# KiCad board 10087.kicad_pcb (continued)
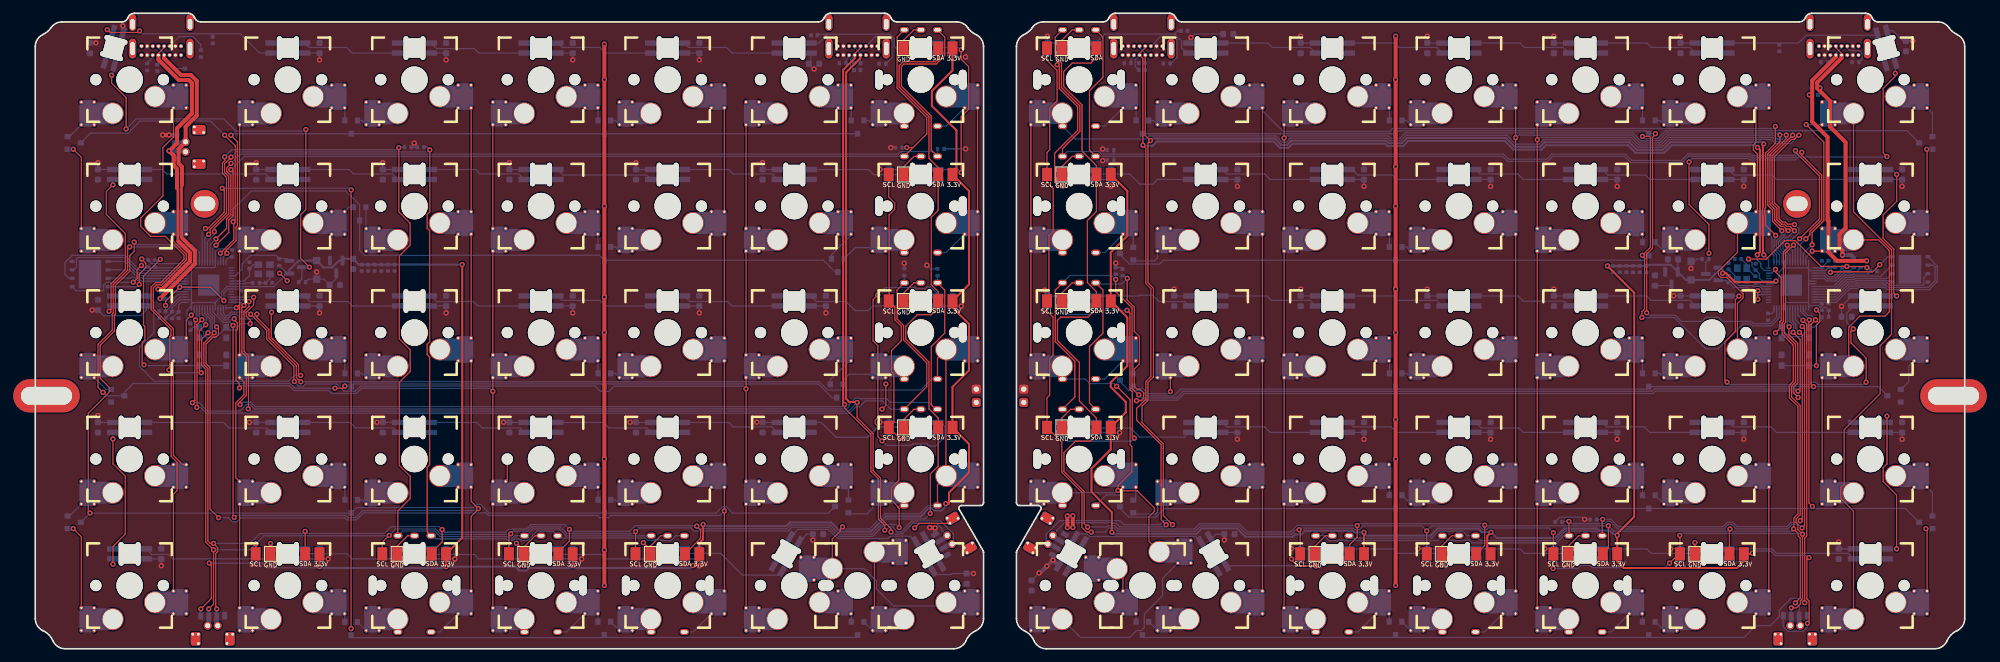
[diagram p0: board, top side]
## Routing (per net, layer and track width the routed paths; a pad name or vN(x,y) marks a point on that pad's centre or on a via; arc(x,y) is an arc through that point) (continued)
  Top w0.3: v1(121.77,36.78) 121.55,37 121.55,87.22 123.3,88.97 USB2.4
  Bottom w0.18: v1(121.77,36.78) 121.45,36.46 33.09,36.46 32.42,37.13 31.18,37.13 v1(30.82,36.77) ; 136.99,15.55 136.58,15.15 ; U1.28 30.94,52.17 v1(31.39,51.72) ; D17.1 122.67,87.7 122.67,88.79 USB2.4 ; v1(127.82,17.85) 127.98,17.85 128.52,18.38 128.94,18.38 129.71,17.61 130.27,17.61 131.88,19.22 136.24,19.22 138.12,17.34 138.12,15.94 J9.3
/RXR: length 214.6
  Top w0.18: USB3.5 167.01,77.34 v1(167.81,76.54) 167.42,76.16 167.42,55.14 168.25,54.32 168.25,40.95 167.42,40.13 167.42,37.44 166.53,36.55 166.53,34.07 169.73,30.88 169.73,30.18 169.72,30.18 169.72,24.91 169.75,24.89 169.74,20.06 v1(171.12,18.68)
  Top w0.2: 259.95,66.58 259.9,66.53 259.9,65.11 259.95,65.06
  Top w0.3: 259.95,66.58 259.95,75.93 v1(260.06,76.04) ; v1(260.08,59.35) 259.95,59.47 259.95,65.06
  Bottom w0.18: USB3.12 166.16,90.53 167.01,89.68 USB3.5 167.01,88.23 D39.1 ; 153.22,15.67 153.73,15.15 ; U4.28 260.82,58.61 v1(260.08,59.35) ; v1(171.12,18.68) 170.49,19.31 169.84,19.31 169.23,18.69 163.79,18.69 163.17,19.31 154.16,19.31 152.12,17.26 152.12,16.01 J10.2
  Bottom w0.3: v1(167.81,76.54) 168.12,76.85 186.51,76.85 187.47,75.89 188.34,75.89 188.97,76.52 203.3,76.52 203.67,76.16 205.63,76.16 206.42,76.94 221.29,76.94 222.61,75.62 226.44,75.62 227.12,76.3 239.82,76.3 240.97,75.16 244.9,75.16 246.05,76.3 259.81,76.3 v1(260.06,76.04)
/SCLL: length 224.9
  Top w0.18: J5.3 90.31,17.64 v1(90.31,17.64) ; v1(71.54,17.31) 71.26,17.04 J6.3 ; v1(129.99,18.25) 129.99,21.11 129.81,21.29 129.81,21.4 128.81,22.39 128.81,24.27 129.94,25.39 129.94,31.82 J4.3 129.19,34.12 129.19,41.39 128.82,41.76 128.82,44.91 130.31,46.4 130.31,48.57 129.33,49.55 129.33,51.47 J3.3 128.47,52.44 128.47,65.35 129.31,66.19 129.31,67.17 128.41,68.07 J2.3 ; J8.3 33.16,15.79 v1(33.16,15.79) ; v1(25.98,47.58) 25.02,46.63 25.02,42.7 25.64,42.09 25.64,16.07 v1(26.82,14.89) 26.82,6.71 v1(26.09,5.98) ; v1(53.25,17.07) 52.21,16.04 J7.3
  Bottom w0.18: 26.09,4.98 26.09,4.98 v1(26.09,5.98) ; v1(26.82,14.89) 32.27,14.89 v1(33.16,15.79) 34.39,17.02 53.2,17.02 v1(53.25,17.07) 54.21,18.04 60.22,18.04 61.05,17.21 71.44,17.21 v1(71.54,17.31) 71.94,17.71 74.07,17.71 74.73,18.38 78.96,18.38 79.99,17.35 90.02,17.35 v1(90.31,17.64) 90.88,18.2 98.66,18.2 99.11,17.74 113.3,17.74 113.86,18.31 119.47,18.31 120.85,16.92 125.98,16.92 127.77,18.71 129.52,18.71 v1(129.99,18.25) ; U1.37 25.49,50.5 26.29,49.71 26.29,47.89 v1(25.98,47.58)
/SCLR: length 268.5
  Top w0.18: v1(264.23,6.16) 265.02,6.16 265.6,6.73 265.6,7.2 265.9,7.51 v1(265.9,17.25) 265.9,17.25 265.21,17.93 265.21,18.74 264.94,19.02 264.94,19.55 265.56,20.17 265.56,36.64 264.27,37.93 264.27,39.57 264.86,40.16 264.86,45.85 263.17,47.54 263.17,48.94 263.38,49.15 263.38,59.63 v1(264.56,60.81) ; v1(245.91,12.89) 247.3,14.29 J23.3 247.48,17.05 v1(247.45,17.08) ; J21.3 v1(209.38,17.74) ; v1(228.43,17.47) J22.3 228.43,12.15 v1(228.37,12.08) ; J16.3 152.23,88.63 153.75,87.11 153.75,82.54 152.63,81.43 152.63,75.17 152.23,74.77 J17.3 152.23,70.26 153.16,69.33 153.16,62.9 152.53,62.27 152.53,52.69 J18.3 152.23,50.87 153.14,49.96 153.14,44.19 152.63,43.69 152.63,38.23 152.23,37.83 J19.3 154.45,31.12 154.45,26.6 157.49,23.56 157.49,18.26 158.17,17.57 v1(158.9,17.57) ; v1(190.15,17.92) 190.33,17.74 J20.3
  Bottom w0.18: v1(264.23,6.16) 264.21,6.15 264.21,4.98 ; v1(228.43,17.47) 227.71,18.19 218.56,18.19 218.35,17.98 217.8,17.98 217.28,18.5 210.13,18.5 v1(209.38,17.74) 208.61,18.51 199.75,18.51 199.16,17.92 198.63,17.92 198.38,18.17 190.4,18.17 v1(190.15,17.92) 189.7,17.92 189.05,17.27 182.25,17.27 181.01,18.5 175.35,18.5 174.56,17.7 162.8,17.7 162.3,18.2 161.59,18.2 160.98,17.58 158.92,17.58 v1(158.9,17.57) ; v1(245.91,12.89) 245.23,12.22 234.26,12.22 233.94,12.55 232.59,12.55 232.13,12.08 v1(228.37,12.08) ; v1(247.45,17.08) 247.75,17.39 265.77,17.39 v1(265.9,17.25) ; v1(264.56,60.81) 264.82,60.55 U4.37
/SDAL: length 263.8
  Top w0.18: v1(61.22,17.95) 61.22,16.09 59.65,14.52 J7.2 ; J8.2 40.6,17.67 v1(40.59,17.67) ; v1(99.52,18.46) 100.09,17.89 100.09,16.63 J5.2 ; v1(26.93,47.59) 25.36,46.02 25.36,42.84 25.96,42.23 25.96,16.21 26.31,15.86 v1(26.82,15.86) 27.46,15.22 27.46,14.63 27.14,14.32 27.14,6.13 v1(27.3,5.98) ; J6.2 78.7,14.56 80.36,16.22 v1(80.36,17.98) ; J1.2 135.85,88.85 135.42,88.42 130.57,88.42 129.99,87.84 129.99,84.62 134.47,80.14 134.47,73.88 135.85,72.5 J2.2 135.85,66.05 134.81,65.01 134.81,54.84 135.85,53.8 J3.2 135.85,51.37 134.79,50.31 132.71,50.31 130.97,48.57 130.97,46.68 134.47,43.18 134.47,36.13 135.85,34.75 J4.2 135.85,27.5 134.66,26.31 134.66,20.37 v1(134.66,20.36)
  Bottom w0.18: 27.29,4.98 27.3,4.98 v1(27.3,5.98) ; v1(26.93,47.59) 26.62,47.9 26.62,49.84 25.89,50.56 U1.36 ; v1(134.66,20.36) 133.85,19.55 128.15,19.55 125.85,17.25 120.99,17.25 119.6,18.64 113.72,18.64 113.16,18.07 99.91,18.07 v1(99.52,18.46) 99.46,18.53 90.28,18.53 89.42,17.67 80.67,17.67 v1(80.36,17.98) 79.64,18.7 79.09,18.7 74.6,18.71 73.94,18.04 71.8,18.04 71.71,17.95 71.18,17.95 70.78,17.55 61.62,17.55 v1(61.22,17.95) 60.79,18.38 53.56,18.38 52.53,17.36 40.91,17.36 v1(40.59,17.67) 40.28,17.35 33.78,17.35 32.3,15.86 v1(26.82,15.86)
/SDAR: length 279.6
  Top w0.18: v1(158.34,18.34) 157.81,18.86 157.81,23.69 154.78,26.73 154.78,29.54 156.51,31.27 158.78,31.27 159.66,32.16 J19.2 159.66,34.75 157.1,37.31 157.1,43.13 153.8,46.43 153.8,49.47 154.29,49.95 158.41,49.95 159.66,51.21 J18.2 159.66,53.8 158.31,55.16 158.31,64.5 159.66,65.86 J17.2 159.66,72.8 157.49,74.97 157.49,81.94 154.74,84.7 154.74,86.94 156.02,88.22 158.84,88.22 159.66,89.05 J16.2 ; J20.2 197.76,15.66 198.9,16.8 v1(198.9,18.56) ; v1(236.69,18.52) 236.7,18.5 236.7,15.13 J22.2 ; v1(218.09,18.61) 218.09,15.56 J21.2 ; v1(264.84,6.92) 265.57,7.65 265.57,16.67 265.26,16.98 265.26,17.36 v1(264.58,18.05) 264.61,18.08 264.61,19.69 265.23,20.31 265.23,36.5 263.94,37.79 263.94,39.71 264.52,40.3 264.52,45.72 262.84,47.41 262.83,49.08 263.05,49.29 263.05,59.77 263.61,60.33 v1(263.61,60.78) ; v1(255.01,18.04) 254.91,17.95 J23.2
  Bottom w0.18: 265.41,4.98 265.41,6.36 v1(264.84,6.92) ; v1(263.61,60.78) 264.42,59.97 U4.36 ; v1(158.34,18.34) 158.35,18.34 161.27,18.34 161.46,18.53 162.43,18.53 162.93,18.03 174.42,18.03 175.22,18.83 181.15,18.83 182.39,17.59 188.91,17.59 189.87,18.56 v1(198.9,18.56) 199.18,18.83 217.87,18.83 v1(218.09,18.61) 218.19,18.52 v1(236.69,18.52) 237.49,17.71 254.68,17.71 v1(255.01,18.04) 255.34,17.71 264.25,17.71 v1(264.58,18.05)
/SPI-0L: length 12.7
  Bottom w0.18: U1.53 22.68,56.18 15.61,56.18 13.46,58.34 U3.5
/SPI-0R: length 12.7
  Bottom w0.18: U4.53 270.77,53.37 272.68,55.27 273.81,55.27 273.97,55.44 278.58,55.44 278.77,55.44 278.77,55.44 279.18,55.44 U5.5
/SPI-1L: length 22.9
  Bottom w0.18: U1.55 15.77,56.97 13.47,59.26 5.56,59.26 4.46,58.16 4.46,56.41 5.07,55.8 U3.2 5.53,55.93 5.49,55.96
/SPI-1R: length 23
  Bottom w0.18: U5.2 285.58,57.78 285.86,57.5 285.86,55.43 284.85,54.43 278.83,54.43 278.48,54.78 274.25,54.78 274.08,54.61 272.95,54.61 270.91,52.57 U4.55
/SPI-2L: length 19.8
  Bottom w0.18: U1.54 15.7,56.57 13.34,58.93 6.4,58.93 6.17,58.7 6.17,57.41 5.82,57.07 5.53,57.07 5.53,57.12 5.49,57.15
/SPI-2R: length 19.5
  Bottom w0.18: U4.54 270.84,52.97 272.82,54.94 273.94,54.94 274.11,55.11 278.61,55.11 278.64,55.08 278.65,55.08 278.98,54.76 284.01,54.76 284.16,54.91 284.16,55.9 U5.3
/SPI-3L: length 12
  Bottom w0.18: U3.7 10.97,55.84 15,55.84 15.32,55.52 15.9,55.52 16.06,55.37 U1.51
/SPI-3R: length 13.3
  Bottom w0.18: U4.51 270.64,54.17 272.41,55.93 273.53,55.93 273.73,56.12 277.72,56.12 U5.7
/TXL: length 201.7
  Top w0.18: v1(123.66,37.09) 123.66,34.84 126.06,32.44 126.06,26.84 127.17,25.72 127.17,19.66 128.75,18.08 v1(128.75,17.59) ; v1(32.14,52.3) 32.14,51.56 31.4,50.82 31.4,44.82 32.08,44.14 32.08,36.17 v1(32.03,36.13)
  Top w0.3: USB2.5 124.15,88.97 122,86.82 122,37.65 122.47,37.17 123.58,37.17 v1(123.66,37.09)
  Bottom w0.18: v1(128.75,17.59) 129.06,17.28 130.4,17.29 132.01,18.89 135.62,18.89 136.44,18.06 136.44,17.83 J9.2 ; USB2.12 123.3,90.53 124.15,89.68 USB2.5 124.15,88.21 D16.1 ; v1(123.66,37.09) 122.37,35.8 32.37,35.8 v1(32.03,36.13) ; v1(32.14,52.3) 31.79,52.3 31.52,52.57 U1.27 ; 136.44,16.65 135.98,16.19
/TXR: length 213.6
  Top w0.18: v1(170.16,18.67) 169.42,19.41 169.42,24.64 169.39,24.67 169.39,30.75 165.71,34.43 165.71,36.19 167.09,37.57 167.09,40.26 167.84,41.01 167.84,54.25 167.09,55 167.09,75.41 v1(166.66,75.85) 166.66,88.93 USB3.4 166.16,89.68 167.01,90.53 USB3.13
  Top w0.3: v1(259.12,59.35) 259.5,59.74 259.5,65.88 259.5,65.88 259.5,75.16 v1(259.14,75.51)
  Bottom w0.18: D44.1 165.5,87.72 165.5,88.76 USB3.4 ; U4.27 260.16,56.97 259.63,57.49 259.63,58.07 259.12,58.59 v1(259.12,59.35) ; v1(170.16,18.67) 169.85,18.36 163.18,18.36 162.68,18.86 162.3,18.86 162.18,18.98 154.88,18.98 153.68,17.77 153.68,17.64 J10.3 ; 153.68,16.85 154.33,16.19
  Bottom w0.3: v1(166.66,75.85) 166.73,75.78 168.14,75.78 168.76,76.41 186.33,76.41 187.29,75.44 188.52,75.44 189.15,76.07 203.12,76.07 203.49,75.7 205.81,75.7 206.6,76.49 221.11,76.49 222.43,75.17 226.62,75.17 227.3,75.85 239.64,75.85 240.79,74.7 245.08,74.7 246.23,75.85 258.81,75.85 v1(259.14,75.51)
Net-(C12-Pad2): length 2.5
  Bottom w0.18: Y1.3 35.3,55.77 C12.2 34.64,55.11 R6.2
Net-(C27-Pad2): length 3.5
  Bottom w0.18: R20.2 258.74,56.1 Y2.3 257.5,57.88 C27.2
Net-(D1-A-Pad1): length 1.9
  Bottom w0.18: D1.1 46.58,81.44 K2.1
Net-(D1-A-Pad2): length 1.6
  Bottom w0.18: D1.2 49.15,79.58 K3.2
Net-(D2-A-Pad1): length 1.9
  Bottom w0.18: D2.1 84.68,81.44 K4.1
Net-(D2-A-Pad2): length 1.6
  Bottom w0.18: K5.2 87.25,79.58 D2.2
Net-(D3-A-Pad1): length 1.9
  Bottom w0.18: D3.1 122.78,81.44 K6.1
Net-(D4-A-Pad1): length 13.3
  Top w0.18: K8.2 6.93,74.02 v1(5.71,75.24)
  Bottom w0.18: D4.1 4.86,75.24 v1(5.71,75.24)
Net-(D4-A-Pad2): length 2.8
  Bottom w0.18: K1.2 5.13,77.15 D4.2
Net-(D5-A-Pad1): length 1.6
  Bottom w0.18: D5.1 47.21,66.51 K9.1
Net-(D5-A-Pad2): length 3.2
  Bottom w0.18: D5.2 49.75,63.34 K10.2
Net-(D6-A-Pad1): length 1.9
  Bottom w0.18: K11.1 84.68,62.39 D6.1
Net-(D6-A-Pad2): length 1.6
  Bottom w0.18: D6.2 87.25,60.53 K12.2
Net-(D7-A-Pad1): length 4.9
  Bottom w0.18: D7.1 119.8,59.34 122.73,62.27 K13.1
Net-(D8-A-Pad2): length 3.3
  Bottom w0.18: K15.2 10.66,39.05 D8.2
Net-(D9-A-Pad1): length 1.9
  Bottom w0.18: D9.1 46.58,43.34 K16.1
Net-(D9-A-Pad2): length 1.6
  Bottom w0.18: K17.2 49.15,41.48 D9.2
Net-(D10-A-Pad1): length 1.9
  Bottom w0.18: D10.1 84.68,43.34 K18.1
Net-(D10-A-Pad2): length 1.6
  Bottom w0.18: D10.2 87.25,41.48 K19.2
Net-(D11-A-Pad1): length 5
  Bottom w0.18: D11.1 119.62,40.52 122.48,43.38 K20.1
Net-(D12-A-Pad1): length 13.3
  Top w0.18: v1(5.71,18.09) 6.93,16.87 K29.2
  Bottom w0.18: D12.1 4.86,18.09 v1(5.71,18.09)
Net-(D12-A-Pad2): length 2.8
  Bottom w0.18: D12.2 5.13,20 K22.2
Net-(D13-A-Pad1): length 1.9
  Bottom w0.18: K23.1 46.58,24.29 D13.1
Net-(D13-A-Pad2): length 1.6
  Bottom w0.18: K24.2 49.15,22.43 D13.2
Net-(D14-A-Pad1): length 1.9
  Bottom w0.18: K25.1 84.68,24.29 D14.1
Net-(D14-A-Pad2): length 1.6
  Bottom w0.18: D14.2 87.25,22.43 K26.2
Net-(D15-A-Pad1): length 2.2
  Bottom w0.18: 122.78,24.29 K27.1 122.34,23.95 D15.1
Net-(D18-A-Pad1): length 1.3
  Bottom w0.18: K30.1 46.56,5.25 D18.1
Net-(D20-A-Pad1): length 1.2
  Bottom w0.18: D20.1 122.77,5.24 K34.1
Net-(D20-A-Pad2): length 10.4
  Top w0.18: K35.2 126.27,6.42 K35-1.2
  Bottom w0.18: K35.2 124.68,4.05 D20.2
Net-(D21-A-Pad1): length 1.9
  Bottom w0.18: D21.1 241.84,81.44 K38.1
Net-(D21-A-Pad2): length 1.6
  Bottom w0.18: K37.2 244.42,79.58 D21.2
Net-(D22-A-Pad1): length 1.9
  Bottom w0.18: K40.1 203.74,81.44 D22.1
Net-(D22-A-Pad2): length 1.6
  Bottom w0.18: D22.2 206.32,79.58 K39.2
Net-(D23-A-Pad2): length 1.6
  Bottom w0.18: D23.2 168.22,79.58 K41.2
Net-(D24-A-Pad1): length 4.7
  Bottom w0.18: D24.1 285.46,80.68 K36.1
Net-(D24-A-Pad2): length 10.3
  Top w0.18: K43.1 284.66,75.18 v1(284.61,75.23)
  Bottom w0.18: D24.2 285.44,75.23 v1(284.61,75.23)
Net-(D25-A-Pad1): length 1.2
  Bottom w0.18: K45.1 241.84,62.39 D25.1
Net-(D25-A-Pad2): length 1.9
  Bottom w0.18: K44.2 243.74,61.21 D25.2
Net-(D26-A-Pad1): length 1.9
  Bottom w0.18: D26.1 203.74,62.39 K47.1
Net-(D26-A-Pad2): length 1.6
  Bottom w0.18: K46.2 206.32,60.53 D26.2
Net-(D27-A-Pad2): length 4.9
  Bottom w0.18: K48.2 168.85,58.88 168.4,58.43 165.36,58.43 D27.2
Net-(D28-A-Pad1): length 5.2
  Bottom w0.18: D28.1 281.89,40.24 281.89,42.56 K50.1
Net-(D29-A-Pad1): length 1.9
  Bottom w0.18: D29.1 241.84,43.34 K52.1
Net-(D29-A-Pad2): length 1.6
  Bottom w0.18: D29.2 244.42,41.48 K51.2
Net-(D30-A-Pad1): length 1.9
  Bottom w0.18: K54.1 203.74,43.34 D30.1
Net-(D30-A-Pad2): length 1.6
  Bottom w0.18: D30.2 206.32,41.48 K53.2
Net-(D31-A-Pad2): length 8.3
  Top w0.18: K55.2 170.79,38.74 v1(170.8,38.73)
  Bottom w0.18: v1(170.8,38.73) 170.49,38.42 167.38,38.42 166.58,39.22 165.52,39.22 D31.2
Net-(D32-A-Pad1): length 4.7
  Bottom w0.18: K57.1 285.46,23.53 D32.1
Net-(D32-A-Pad2): length 10.5
  Top w0.18: v1(284.47,18.08) 284.66,17.89 K64.1
  Bottom w0.18: D32.2 285.44,18.08 v1(284.47,18.08)
Net-(D33-A-Pad1): length 1.2
  Bottom w0.18: D33.1 241.84,24.29 K59.1
Net-(D33-A-Pad2): length 1.9
  Bottom w0.18: D33.2 243.74,23.11 K58.2
Net-(D34-A-Pad1): length 1.2
  Bottom w0.18: K61.1 203.73,24.3 D34.1
Net-(D34-A-Pad2): length 1.9
  Bottom w0.18: D34.2 205.62,23.12 K60.2
Net-(D35-A-Pad2): length 5.1
  Bottom w0.18: K62.2 168.85,20.57 168.58,20.29 165.39,20.29 D35.2
Net-(D36-A-Pad2): length 1.9
  Bottom w0.18: K65.2 243.74,4.05 D36.2
Net-(D38-A-Pad1): length 5
  Top w0.18: K70-1.1 163.65,11.19 K70.1
  Bottom w0.18: K70.1 165.64,5.24 D38.1
Net-(D38-A-Pad2): length 1.9
  Bottom w0.18: D38.2 167.54,4.05 K69.2
Net-(D47-K): length 27.8
  Top w0.18: v1(10.83,93.27) 11.25,92.84 15.45,92.84 v1(15.69,93.07)
  Bottom w0.18: 26.69,92.64 30.82,92.64 33.73,89.74 LED2.4 ; 26.69,92.64 16.12,92.64 v1(15.69,93.07) ; 26.69,92.64 D47.1 ; LED1.2 10.99,93.1 v1(10.83,93.27)
Net-(D48-K): length 18
  Bottom w0.18: LED7.4 130.26,89.74 129.27,90.73 129.27,91.86 128.56,92.56 119.23,92.56 ; D48.1 117.83,92.56 119.23,92.56 ; 119.23,92.56 117.91,91.24 LED6.2
Net-(D49-K): length 22.9
  Bottom w0.18: LED52.4 265.3,91.24 266.5,92.43 276.86,92.43 LED51.2
Net-(D50-K): length 17.6
  Bottom w0.18: LED57.4 160.92,92.59 171.43,92.59 ; 171.43,92.59 171.91,93.07 D50.1 ; 171.43,92.59 172.47,91.55 172.47,90.51 173.25,89.74 LED56.2
Net-(LED2-DOUT): length 14.7
  Bottom w0.18: LED3.4 47.68,89.74 46.84,90.57 41.16,90.57 LED2.2
Net-(LED3-DOUT): length 14.7
  Bottom w0.18: LED3.2 60.39,90.4 66.07,90.4 66.73,89.74 LED4.4
Net-(LED4-DOUT): length 14.7
  Bottom w0.18: LED4.2 79.26,90.57 84.94,90.57 85.78,89.74 LED5.4
Net-(LED5-DOUT): length 14.7
  Bottom w0.18: LED5.2 98.31,90.57 103.99,90.57 104.83,89.74 LED6.4
Net-(LED7-DOUT): length 27.1
  Top w0.18: v1(139.31,90.2) 139.31,88.82 140.44,87.69 140.44,81.26 139.31,80.13 v1(139.31,71.73)
  Bottom w0.18: v1(139.31,71.73) 138.86,72.19 LED8.4 ; LED7.2 136.41,90.57 138.94,90.57 v1(139.31,90.2)
Net-(LED8-DOUT): length 14.7
  Bottom w0.18: LED9.4 125.38,72.19 126.14,71.42 130.01,71.42 LED8.2
Net-(LED10-DIN): length 14.7
  Bottom w0.18: LED9.2 110.86,71.52 105.02,71.52 104.36,72.19 LED10.4
Net-(LED10-DOUT): length 14.7
  Bottom w0.18: LED11.4 79.44,71.35 91.99,71.35 LED10.2
Net-(LED11-DOUT): length 14.7
  Bottom w0.18: LED12.4 66.26,72.19 66.92,71.52 72.76,71.52 LED11.2
Net-(LED12-DOUT): length 14.7
  Bottom w0.18: LED12.2 53.71,71.52 47.87,71.52 47.21,72.19 LED13.4
Net-(LED13-DOUT): length 19.4
  Bottom w0.18: LED13.2 34.66,71.52 19.77,71.52 19.1,72.19 LED14.4
Net-(LED14-DOUT): length 23.5
  Top w0.18: v1(11.08,50.83) 11.4,51.16 11.4,54.98 13.54,57.12 13.54,62.56 10.69,65.41 10.69,68.88 v1(11.69,69.88)
  Bottom w0.18: v1(11.08,50.83) 11.69,51.45 LED15.4 ; LED14.2 11.69,70.68 v1(11.69,69.88)
Net-(LED15-DOUT): length 50
  Top w0.18: v1(39.92,41.17) 39.61,41.49 39.61,42.79 37.05,45.34 35.5,46.89 35.5,50.64 v1(35.55,50.69)
  Bottom w0.18: LED15.2 16.89,53.14 17.83,52.2 17.83,47.59 15.68,45.43 15.68,42.53 17.91,40.3 38.12,40.3 38.99,41.17 v1(39.92,41.17) ; v1(35.55,50.69) 35.5,50.73 LED16.4
Net-(LED16-DOUT): length 14.7
  Bottom w0.18: LED17.4 47.68,51.64 47.02,52.3 41.34,52.3 LED16.2
Net-(LED17-DOUT): length 14.7
  Bottom w0.18: LED18.4 66.58,51.64 65.91,52.3 60.39,52.3 LED17.2
Net-(LED18-DOUT): length 14.7
  Bottom w0.18: LED18.2 79.26,52.47 84.94,52.47 85.78,51.64 LED19.4
Net-(LED19-DOUT): length 14.7
  Bottom w0.18: LED20.4 104.83,51.64 104.17,52.3 98.49,52.3 LED19.2
Net-(LED20-DOUT): length 15.3
  Bottom w0.18: LED21.4 126.03,51.64 125.32,50.93 123.35,50.93 121.97,52.3 117.54,52.3 LED20.2
Net-(LED21-DOUT): length 47.1
  Top w0.18: v1(126.77,53.29) 126.06,52.59 126.06,46.36 126.77,45.64 126.77,34.83 126.38,34.43 126.38,33.92 126.77,33.53 126.77,31.96 v1(127.41,31.31)
  Bottom w0.18: v1(127.41,31.31) 128.11,30.62 131.81,30.62 132.04,30.86 134.2,30.86 134.53,30.52 135.48,30.52 136.89,31.94 136.89,33.44 136.24,34.09 LED22.4 ; LED21.2 135.75,53.5 134.74,54.51 134.21,54.51 133.94,54.24 132.46,54.24 132.25,54.45 131.7,54.45 131.65,54.4 127.88,54.4 v1(126.77,53.29)
Net-(LED22-DOUT): length 16
  Bottom w0.18: LED22.2 129.91,33.42 126.78,33.42 125.46,32.1 125.46,32.08 125.24,31.85 120.48,31.85 118.25,34.09 LED23.4
Net-(LED23-DOUT): length 14.7
  Bottom w0.18: LED24.4 104.36,34.09 105.02,33.42 110.86,33.42 LED23.2
Net-(LED24-DOUT): length 14.7
  Bottom w0.18: LED25.4 85.47,34.09 86.3,33.26 91.97,33.26 LED24.2
Net-(LED25-DOUT): length 14.7
  Bottom w0.18: LED26.4 66.42,34.09 67.25,33.26 72.92,33.26 LED25.2
Net-(LED26-DOUT): length 14.7
  Bottom w0.18: LED26.2 53.86,33.27 48.19,33.27 47.37,34.09 LED27.4
Net-(LED27-DOUT): length 19.4
  Bottom w0.18: LED27.2 34.84,33.25 29.16,33.25 28.32,34.09 LED28.4
Net-(LED28-DOUT): length 22.2
  Top w0.18: v1(11.69,12.72) 11.69,15.41 13.54,17.27 13.54,26 11.69,27.85 v1(11.69,31.6)
  Bottom w0.18: v1(11.69,12.72) 11.69,13.53 LED29.4 ; LED28.2 11.69,31.61 v1(11.69,31.6)
Net-(LED29-DOUT): length 19.4
  Bottom w0.18: LED30.4 20.67,13.54 20.01,14.2 17.52,14.2 LED29.2
Net-(LED30-DOUT): length 14.7
  Bottom w0.18: LED30.2 41.24,14.29 46.92,14.29 47.68,13.54 LED31.4
Net-(LED31-DOUT): length 14.7
  Bottom w0.18: LED31.2 60.39,14.2 66.07,14.2 66.73,13.54 LED32.4
Net-(LED32-DOUT): length 14.7
  Bottom w0.18: LED32.2 79.44,14.2 85.12,14.2 85.78,13.54 LED33.4
Net-(LED33-DOUT): length 16.7
  Bottom w0.18: LED34.4 111.75,11.09 106.42,11.09 103.14,14.36 98.32,14.36 LED33.2
Net-(LED34-DOUT): length 20.5
  Bottom w0.18: LED35.4 131.66,16.95 128.65,16.95 128.29,16.59 120.71,16.59 119.33,17.98 117.88,17.98 117.88,17.97 117.87,17.98 114.76,17.98 LED34.2
Net-(LED52-DOUT): length 14.7
  Bottom w0.18: LED53.4 242.47,91.24 243.14,90.57 248.98,90.57 LED52.2
Net-(LED53-DOUT): length 14.7
  Bottom w0.18: LED54.4 223.42,91.24 224.09,90.57 229.93,90.57 LED53.2
Net-(LED54-DOUT): length 14.7
  Bottom w0.18: LED55.4 204.53,91.24 205.2,90.57 210.88,90.57 LED54.2
Net-(LED55-DOUT): length 14.7
  Bottom w0.18: LED55.2 191.83,90.57 186.15,90.57 185.48,91.24 LED56.4
Net-(LED57-DOUT): length 24.9
  Top w0.18: v1(154.56,69.72) 153.95,69.72 153.38,70.3 153.38,74.62 156.84,78.08 156.84,81.64 154.08,84.41 154.08,87.22 154.08,87.23 154.08,87.68 v1(153.78,87.98)
  Bottom w0.18: v1(154.56,69.72) 154.56,70.69 LED58.4 ; LED57.2 154.56,88.78 153.78,87.99 v1(153.78,87.98)
Net-(LED58-DOUT): length 15.3
  Bottom w0.18: LED58.2 160.23,71.52 164.66,71.52 166.21,69.98 168.15,69.98 168.86,70.69 LED59.4
Net-(LED59-DOUT): length 14.7
  Bottom w0.18: LED60.4 185.79,70.69 184.96,71.52 179.28,71.52 LED59.2
Net-(LED60-DOUT): length 14.7
  Bottom w0.18: LED61.4 204.84,70.69 204.18,71.35 198.99,71.35 198.15,72.19 LED60.2
Net-(LED61-DOUT): length 14.7
  Bottom w0.18: LED62.4 223.89,70.69 223.06,71.52 217.38,71.52 LED61.2
Net-(LED62-DOUT): length 14.7
  Bottom w0.18: LED63.4 242.94,70.69 242.28,71.35 236.6,71.35 LED62.2
Net-(LED63-DOUT): length 19.4
  Bottom w0.18: LED63.2 255.65,71.35 261.33,71.35 261.99,70.69 LED64.4
Net-(LED64-DOUT): length 23.2
  Top w0.18: v1(280.08,71.45) 280.08,67.4 278.05,65.37 278.05,61.82 279.63,60.23 279.63,53.58 v1(280.07,53.13)
  Bottom w0.18: LED65.4 280.07,53.14 v1(280.07,53.13) ; LED64.2 279.34,72.19 v1(280.08,71.45)
Net-(LED65-DOUT): length 50.5
  Top w0.18: v1(275.49,40.14) 275.49,43.79 273.19,46.08 273.19,47.8 v1(273.56,48.16) ; v1(254.55,40.15) 254.23,40.47 254.23,46.21 255.79,47.77 255.79,52.58 v1(256.34,53.13)
  Bottom w0.18: v1(275.49,40.14) 275.16,39.81 268.18,39.81 267.85,40.14 267.31,40.14 266.97,39.8 254.9,39.8 v1(254.55,40.15) ; LED65.2 272.56,50.58 272.56,49.15 v1(273.56,48.16) ; v1(256.34,53.13) 254.81,53.13 LED66.4
Net-(LED66-DOUT): length 14.7
  Bottom w0.18: LED66.2 248.98,52.47 243.14,52.47 242.47,53.14 LED67.4
Net-(LED67-DOUT): length 14.7
  Bottom w0.18: LED67.2 230.05,52.35 223.91,52.35 223.12,53.14 LED68.4
Net-(LED68-DOUT): length 14.7
  Bottom w0.18: LED69.4 204.37,53.14 205.04,52.47 210.88,52.47 LED68.2
Net-(LED69-DOUT): length 14.7
  Bottom w0.18: LED70.4 185.32,53.14 185.99,52.47 191.83,52.47 LED69.2
Net-(LED70-DOUT): length 14.8
  Bottom w0.18: LED71.4 166.09,53.14 166.2,53.25 168.12,53.25 169.07,52.3 172.95,52.3 LED70.2
Net-(LED71-DOUT): length 42.3
  Top w0.18: v1(165.37,31.72) 165.06,32.03 165.06,38.71 164.7,39.08 164.7,50.55 v1(164.28,50.97)
  Bottom w0.18: LED72.4 154.56,32 155.3,31.26 164.91,31.26 v1(165.37,31.72) ; LED71.2 154.56,51.27 155.51,50.32 158.66,50.32 159.31,50.97 v1(164.28,50.97)
Net-(LED72-DOUT): length 15.3
  Bottom w0.18: LED73.4 172.9,31.88 166.21,31.88 164.84,33.25 160.4,33.25 LED72.2
Net-(LED73-DOUT): length 14.7
  Bottom w0.18: LED73.2 179.28,33.42 184.96,33.42 185.79,32.59 LED74.4
Net-(LED74-DOUT): length 14.7
  Bottom w0.18: LED74.2 198.33,33.42 204.01,33.42 204.84,32.59 LED75.4
Net-(LED75-DOUT): length 14.7
  Bottom w0.18: LED75.2 217.55,33.25 223.23,33.25 223.89,32.59 LED76.4
Net-(LED76-DOUT): length 14.7
  Bottom w0.18: LED77.4 242.94,32.59 242.11,33.42 236.43,33.42 LED76.2
Net-(LED77-DOUT): length 19.4
  Bottom w0.18: LED77.2 255.48,33.42 261.16,33.42 261.99,32.59 LED78.4
Net-(LED78-DOUT): length 23.5
  Top w0.18: v1(278.62,35.04) 278.62,27.84 278.05,27.27 278.05,25.18 280.06,23.16 v1(280.06,15.04)
  Bottom w0.18: v1(280.06,15.04) 280.06,15.04 LED79.4 ; v1(278.62,35.04) LED78.2
Net-(LED79-DOUT): length 19.4
  Bottom w0.18: LED80.4 261.3,15.04 261.97,14.37 272.79,14.37 LED79.2
Net-(LED80-DOUT): length 14.7
  Bottom w0.18: LED80.2 248.98,14.37 243.14,14.37 242.47,15.04 LED81.4
Net-(LED81-DOUT): length 14.7
  Bottom w0.18: LED81.2 229.93,14.37 224.09,14.37 223.42,15.04 LED82.4
Net-(LED82-DOUT): length 14.7
  Bottom w0.18: LED82.2 210.88,14.37 205.04,14.37 204.37,15.04 LED83.4
Net-(LED83-DOUT): length 13.9
  Bottom w0.18: LED84.4 191.62,12.5 LED83.2
Net-(LED84-DOUT): length 19.6
  Bottom w0.18: LED84.2 174.56,16.92 158.64,16.92 158.27,17.3 156.95,17.3 LED85.4
Net-(U1-ADC_AVDD): length 3.7
  Bottom w0.18: U1.43 21.97,52.17 21.58,51.77 C9.1 20.59,49.76 R2.2
Net-(U1-USB_DM): length 2.3
  Bottom w0.18: U1.46 21.48,53.37 20.82,52.7 R4.2
Net-(U1-USB_DP): length 2.1
  Bottom w0.18: U1.47 20.68,53.77 R3.2
Net-(U1-XIN): length 5.7
  Bottom w0.18: U1.20 31.4,55.37 32.22,56.18 C11.1 32.8,57.85 Y1.1
Net-(U1-XOUT): length 3.3
  Bottom w0.18: R6.1 31.73,55.11 31.59,54.97 U1.21
Net-(U4-ADC_AVDD): length 2.7
  Bottom w0.18: R18.2 268.84,57.46 C24.1 268.72,57.37 U4.43
Net-(U4-USB_DM): length 6.9
  Bottom w0.18: U4.46 269.25,56.17 269.69,55.72 270.8,55.72 272.01,56.93 273.13,56.93 R17.2
Net-(U4-USB_DP): length 8
  Bottom w0.18: R16.2 274.02,56.8 273.46,56.8 273.27,56.61 272.15,56.61 270.94,55.39 269.56,55.39 269.18,55.77 U4.47
Net-(U4-XIN): length 8.4
  Bottom w0.18: Y2.1 256.11,54.83 256.23,54.71 258.36,54.71 258.5,54.57 259.46,54.57 259.86,54.17 U4.20 ; Y2.1 256.11,55.83 254.8,57.14 C26.1 ; Y2.1 255.71,55.19
Net-(U4-XOUT): length 2.2
  Bottom w0.18: U4.21 259.93,54.57 259.42,55.08 R20.1
Net-(USB1-CC1_A5): length 1.6
  Bottom w0.18: R11.1 16.84,88.24 17.68,89.09 USB1.3
Net-(USB1-CC2_B5): length 6.6
  Bottom w0.18: R12.1 24.91,91.02 23.71,92.2 21.66,92.2 USB1.14
Net-(USB2-CC1_A5): length 1.4
  Bottom w0.18: R13.1 121.98,88.72 122.45,89.19 USB2.3
Net-(USB2-CC2_B5): length 8.7
  Bottom w0.18: R14.1 128.91,89.03 128.91,91.75 128.44,92.22 126.45,92.22 USB2.14
Net-(USB3-CC1_A5): length 1.4
  Bottom w0.18: R25.1 164.87,88.72 165.31,89.17 USB3.3
Net-(USB3-CC2_B5): length 8.8
  Bottom w0.18: R27.1 170.84,88.14 171.8,89.09 171.8,91.73 171.29,92.24 169.33,92.24 USB3.14
Net-(USB4-CC1_A5): length 1.2
  Bottom w0.18: USB4.3 270.09,88.73 R26.1
Net-(USB4-CC2_B5): length 4.4
  Bottom w0.18: R28.1 274.88,88.85 274.88,89.66 274.43,90.11 273.05,90.11 272.64,90.52 USB4.14

## Copper pours and planes (outline as drawn; the poured copper is in the pictures)
+5V on Top: 290.41,0 -0.1,0 -0.1,96.44 290.41,96.44
